# Allegro board visualscope2.0.brd (continued)
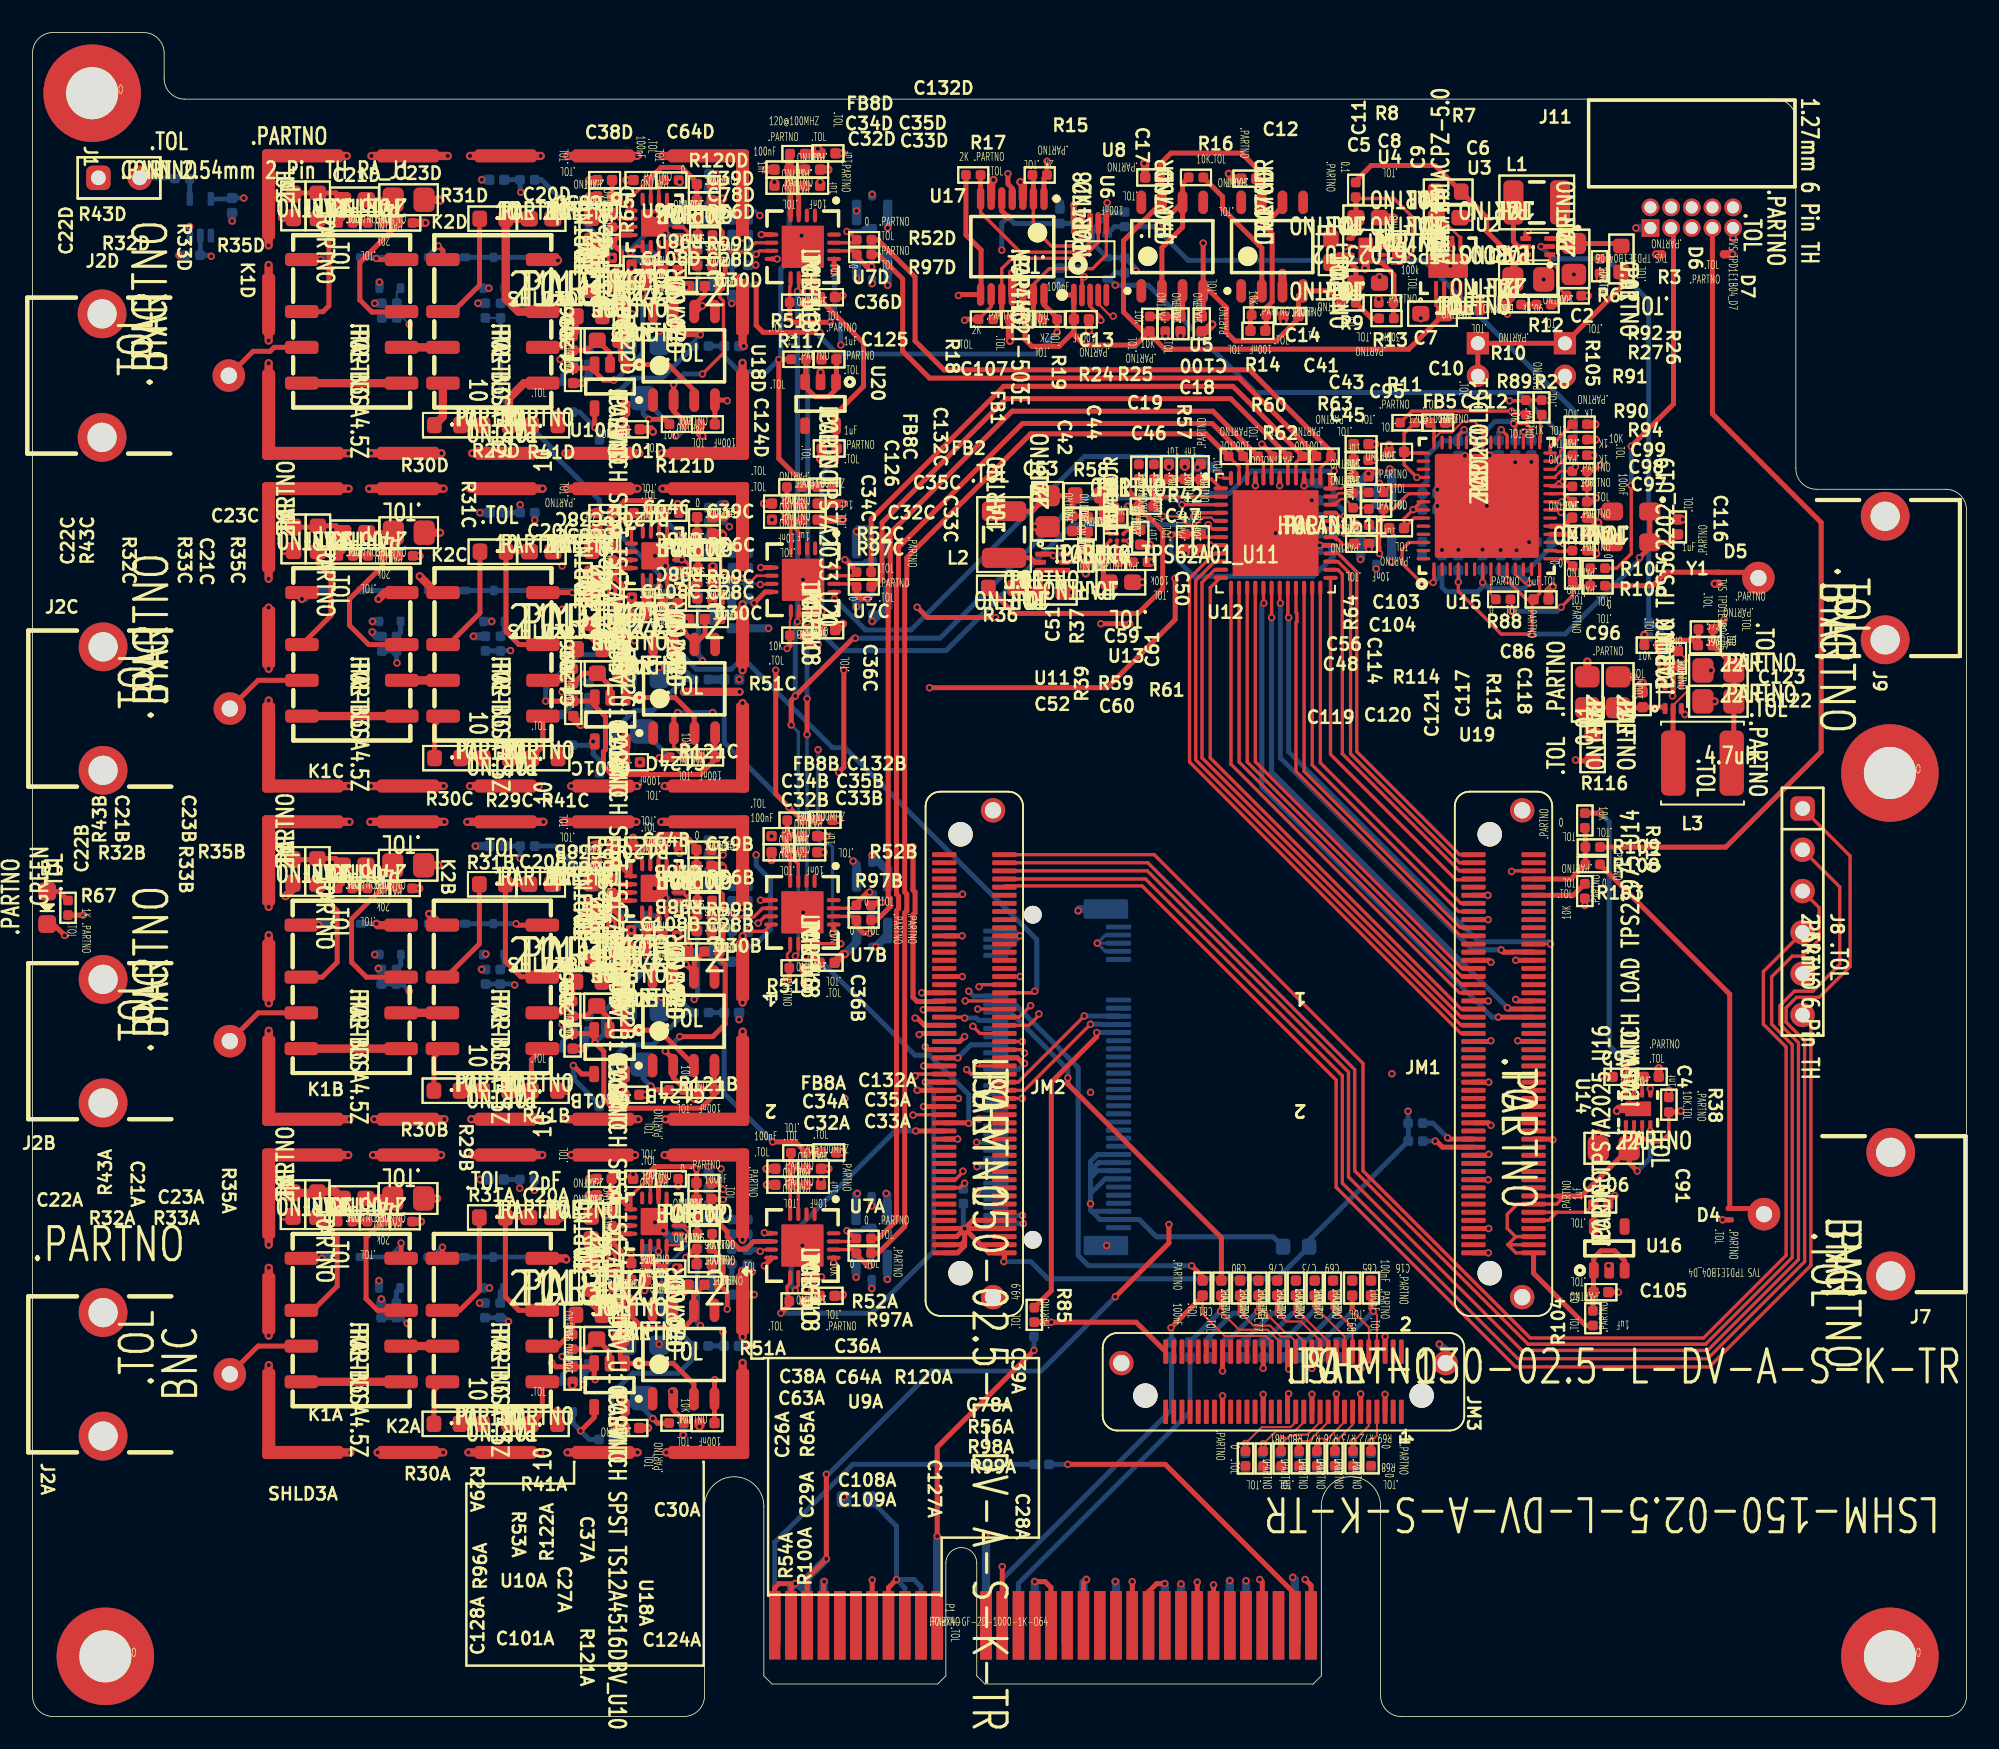
[diagram p0: board, top side]
## Routing (per net, layer and track width the routed paths; a pad name or vN(x,y) marks a point on that pad's centre or on a via; arc(x,y) is an arc through that point) (continued)
  TOP w0.305: R30B.1 24.7,40.56 K2B.4
N00129_FRONT END_CH3: length 2.8
  TOP w0.305: R30C.1 24.74,61.02 K2C.4
N00129_FRONT END_CH4: length 2.8
  TOP w0.508: R30D.1 25.25,79.97 K2D.4
N00131_FRONT END_CH1: length 1.4
  TOP w0.305: R30A.2 R29A.1
N00131_FRONT END_CH2: length 1.4
  TOP w0.305: R29B.1 R30B.2
N00131_FRONT END_CH3: length 1.4
  TOP w0.305: R30C.2 R29C.1
N00131_FRONT END_CH4: length 1.4
  TOP w0.508: R30D.2 R29D.1
N00133_FRONT END_CH1: length 7.3
  TOP w0.305: R31A.1 27.5,26.19 26.29,24.99 K2A.2
N00133_FRONT END_CH2: length 6.8
  TOP w0.305: R31B.1 27.5,47.53 25.45,45.49 K2B.2
N00133_FRONT END_CH3: length 6.8
  TOP w0.305: R31C.1 27.53,67.89 25.59,65.95 K2C.2
N00133_FRONT END_CH4: length 7
  TOP w0.305: R31D.1 27.51,92.13 27.51,88.05 25.88,86.43 K2D.2
N00135_FRONT END_CH1: length 6.1
  TOP w0.508: K1A.5 K1A.4
N00135_FRONT END_CH2: length 6.1
  TOP w0.508: K1B.4 K1B.5
N00135_FRONT END_CH3: length 6.1
  TOP w0.508: K1C.4 K1C.5
N00135_FRONT END_CH4: length 6.1
  TOP w0.508: K1D.4 K1D.5
N00137_FRONT END_CH1: length 8.9
  TOP w0.305: K2A.7 29.92,24.99 29.1,25.81 R31A.2 C20A.1
N00137_FRONT END_CH2: length 8.9
  TOP w0.305: K2B.7 31.34,45.51 30.05,45.51 29.1,46.46 R31B.2 C20B.1
N00137_FRONT END_CH3: length 9
  TOP w0.305: K2C.7 29.93,65.95 29.13,66.74 R31C.2 C20C.1
N00137_FRONT END_CH4: length 9
  TOP w0.508: C20D.1 R31D.2 29.12,87.2 29.89,86.43 K2D.7
N00143_FRONT END_CH1: length 4.3
  TOP w0.305: K2A.5 31.37,18.65 30.72,18 R41A.2 R29A.2
N00143_FRONT END_CH2: length 4.3
  TOP w0.305: K2B.5 30.7,40.42 R41B.2 R29B.2
N00143_FRONT END_CH3: length 4.3
  TOP w0.305: K2C.5 31.4,59.69 30.73,59.02 R41C.2 R29C.2
N00143_FRONT END_CH4: length 5.5
  TOP w0.508: R41D.2 R29D.2 29.32,81.11 30.25,82.03 K2D.5
N00149_FRONT END_CH1: length 11.9
  TOP w0.305: K1A.7 21.23,24.99 20.52,25.7 20.52,29.46 21.51,30.44 R33A.2
  TOP w0.508: C21A.1 C23A.2 21.51,31.21 R33A.2 R35A.2
N00149_FRONT END_CH2: length 13.1
  TOP w0.305: C21B.1 20.51,51.94 20.93,51.52 20.93,51.52 21.51,50.95 R33B.2 ; K1B.7 20.55,45.49 19.63,46.4 19.63,49.07 21.51,50.94 R33B.2 ; C23B.2 22.16,51.24 R35B.2 R33B.2
N00149_FRONT END_CH3: length 13
  TOP w0.305: K1C.7 20.69,65.95 19.51,67.13 19.51,68.75 21.54,70.79 R33C.2 R35C.2 22.2,71.7 C23C.2 C21C.1
N00149_FRONT END_CH4: length 12.8
  TOP w0.305: C21D.1 C23D.2 22.19,92.19 R35D.2 ; K1D.7 22.68,86.4 20.88,86.4 20.14,87.14 20.14,89.45 22.49,91.8 R35D.2 ; R35D.2 R33D.2
N00151_FRONT END_CH1: length 5.1
  TOP w0.305: J2A.1 13.88,22.79 K1A.3
N00151_FRONT END_CH2: length 5.1
  TOP w0.305: J2B.1 13.88,43.29 K1B.3
N00151_FRONT END_CH3: length 5.2
  TOP w0.305: K1C.3 13.88,63.75 J2C.1
N00151_FRONT END_CH4: length 5.2
  TOP w0.305: J2D.1 13.58,83.99 14.62,83.99 14.86,84.23 K1D.3
N00153_FRONT END_CH1: length 2.8
  TOP w0.305: v1(40.21,28.24) 40.75,28.78 R99A.1 40.88,27.84 C28A.1
  BOTTOM w0.305: v1(40.21,28.24) 40.76,28.79 FB4A.1
N00153_FRONT END_CH2: length 1.8
  TOP w0.305: v1(40.48,49.3) 40.5,49.28 R99B.1 40.88,48.34 C28B.1
  BOTTOM w0.305: FB4B.1 v1(40.48,49.3)
N00153_FRONT END_CH3: length 2.1
  TOP w0.305: v1(40.46,69.51) 40.69,69.74 R99C.1 40.91,68.8 C28C.1
  BOTTOM w0.305: FB4C.1 40.71,69.51 v1(40.46,69.51)
N00153_FRONT END_CH4: length 4
  TOP w0.305: v1(39.57,89.83) 39.95,90.21 40.21,90.21 40.22,90.23 R99D.1 40.9,89.28 C28D.1
  BOTTOM w0.305: FB4D.1 40.16,90.3 39.7,89.83 v1(39.57,89.83)
N00155_FRONT END_CH1: length 9.2
  TOP w0.305: C30A.1 40.69,25.91 U18A.6 40.69,24.53 40.08,23.92 37.54,23.92 36.91,24.55 36.91,25.7 36.23,26.38 R100A.2
N00155_FRONT END_CH2: length 7.8
  TOP w0.152: 40.72,46.43 40.69,46.4 40.69,45.79
  TOP w0.305: U18B.6 40.72,45.51 40.72,46.43 C30B.1 ; v1(40.21,46.27) 40.69,45.79 ; R100B.2 36.4,46.77 36.91,46.27 v1(37.16,46.27)
  PWR4 w0.305: v1(37.16,46.27) v1(40.21,46.27)
N00155_FRONT END_CH3: length 7.8
  TOP w0.305: v1(40.08,66.72) 40.73,66.07 U18C.6 41.39,66.61 C30C.1 ; R100C.2 35.92,67 v1(35.83,66.91)
  PWR4 w0.305: v1(35.83,66.91) 35.89,66.85 37.03,66.85 37.16,66.72 v1(40.08,66.72)
N00155_FRONT END_CH4: length 8.7
  TOP w0.305: R100D.2 35.9,87.69 v1(35.76,87.55) ; C30D.1 41.37,87.48 40.72,86.82 U18D.6 40.88,86.44 v1(41.22,86.78)
  PWR4 w0.305: v1(35.76,87.55) 36.52,86.78 v1(41.22,86.78)
N00161_FRONT END_CH1: length 14
  TOP w0.305: v1(42.75,25.06) 42.75,26.08 C30A.2 42.27,26.59 42.49,26.82 42.49,28.11 41.82,28.78 R99A.2 41.81,28.82 R98A.1 ; v1(39.32,19.98) 39.42,19.88 U18A.2 39.42,18.86 40.07,18.21 R121A.2
  PWR3 w0.305: v1(42.75,25.06) 41.73,24.05 41.73,22.4 v1(39.32,19.98)
N00161_FRONT END_CH2: length 15.5
  TOP w0.305: R98B.1 41.81,49.32 R99B.2 41.9,49.28 42.49,48.68 42.49,47.29 C30B.2 42.27,46.62 42.62,46.27 42.62,42.59 41.86,41.83 v1(39.83,41.83) ; R121B.2 40.07,38.66 39.42,39.31 U18B.2 39.42,40.45 v1(38.94,40.94)
  BOTTOM w0.305: v1(39.83,41.83) v1(38.94,40.94)
N00161_FRONT END_CH3: length 18.4
  TOP w0.203: R99C.2 41.88,69.74 42.49,69.13 42.49,68.5 42.31,68.31 C30C.2 ; R121C.2 39.46,59.66 U18C.2
  TOP w0.305: v1(39.7,61.77) 39.46,61.53 U18C.2 ; R99C.2 41.81,70.62 R98C.1
  PWR3 w0.305: v1(41.86,70.78) 41.86,69.26 41.22,68.62 41.22,68.24 41.86,67.61 v1(41.86,61.77)
  BOTTOM w0.305: v1(39.7,61.77) v1(41.86,61.77)
N00161_FRONT END_CH4: length 14.4
  TOP w0.203: C30D.2 42.29,87.3 42.52,87.08 42.52,83.89 v1(41.22,82.59)
  TOP w0.305: R121D.2 40.1,79.65 39.45,80.31 U18D.2 v1(39.45,81.96) ; R98D.1 41.84,90.26 R99D.2 41.82,90.23 42.62,89.43 42.62,88.82 42.29,88.49 C30D.2
  BOTTOM w0.305: v1(41.22,82.59) 40.09,82.59 v1(39.45,81.96)
N00175_FRONT END_CH1: length 1.5
  TOP w0.305: C26A.2 R54A.2
N00175_FRONT END_CH2: length 1.5
  TOP w0.305: C26B.2 R54B.2
N00175_FRONT END_CH3: length 1.5
  TOP w0.305: R54C.2 C26C.2
N00175_FRONT END_CH4: length 1.5
  TOP w0.305: R54D.2 C26D.2
N00191_FRONT END_CH1: length 3.8
  TOP w0.305: U9A.4 36.1,29.7 C29A.2 35.64,29.22 36.22,28.64 36.22,27.75 R100A.1
N00191_FRONT END_CH2: length 3.9
  TOP w0.305: U9B.4 36.1,50.2 C29B.2 35.64,49.72 36.22,49.14 36.22,48.13 R100B.1
N00191_FRONT END_CH3: length 3.7
  TOP w0.305: U9C.4 36.14,70.66 C29C.2 35.73,70.18 36.27,69.64 36.27,68.88 35.92,68.52 R100C.1
N00191_FRONT END_CH4: length 3.7
  TOP w0.305: U9D.4 36.13,91.14 C29D.2 35.97,90.34 35.99,90.34 36.25,90.08 36.25,89.4 35.9,89.05 R100D.1
N00197_ADC_PLL: length 1.4
  TOP w0.305: U15.18 C98.1
N00197_FRONT END_CH1: length 3.7
  TOP w0.305: v1(38.18,18.33) 38.46,18.05 R121A.1
  BOTTOM w0.305: R124A.2 37.55,18.95 v1(38.18,18.33) 38.46,18.05 R123A.2
N00197_FRONT END_CH2: length 4
  TOP w0.305: R121B.1 38.28,38.55 v1(38.05,38.78)
  BOTTOM w0.305: R124B.2 37.58,39.25 v1(38.05,38.78) 38.28,38.55 R121B.1
N00197_FRONT END_CH3: length 3.6
  TOP w0.305: v1(38.56,58.97) 38.6,59.01 R121C.1
  BOTTOM w0.305: R124C.2 37.62,60.6 R123C.2 38.63,59.05 v1(38.56,58.97)
N00197_FRONT END_CH4: length 5.1
  TOP w0.305: R121D.1 39.2,79.54 38.94,79.8 v1(37.92,79.8)
  BOTTOM w0.305: R123D.2 39.12,79.56 R124D.2 37.58,80.14 v1(37.92,79.8)
N00207_ADC_PLL: length 1.8
  TOP w0.203: U15.29 92.79,78.43 92.79,80.01 R28.1
N00209_FRONT END_CH1: length 1.2
  TOP w0.305: R65A.1 35.66,30.2 U9A.3
N00209_FRONT END_CH2: length 1.2
  TOP w0.305: U9B.3 35.66,50.7 R65B.1
N00209_FRONT END_CH3: length 1.2
  TOP w0.305: R65C.1 36.84,71.15 U9C.3
N00209_FRONT END_CH4: length 1.2
  TOP w0.203: U9D.3 35.68,91.64 R65D.1
N00211_FRONT END_CH1: length 2.7
  TOP w0.203: R65A.2 36.04,30.7 U9A.2
  TOP w0.305: C26A.1 34.69,31.09 R65A.2
N00211_FRONT END_CH2: length 2.7
  TOP w0.305: U9B.2 36.04,51.2 R65B.2 35.34,51.28 C26B.1
N00211_FRONT END_CH3: length 2.7
  TOP w0.305: C26C.1 35.38,71.74 R65C.2 36.08,71.66 U9C.2
N00211_FRONT END_CH4: length 2.7
  TOP w0.203: R65D.2 36.06,92.14 U9D.2
  TOP w0.305: R65D.2 34.71,92.53 C26D.1
N00215_FRONT END_CH1: length 1.3
  TOP w0.305: R120A.2 38.51,32.76 U9A.14
N00215_FRONT END_CH2: length 1.3
  TOP w0.203: R120B.2 38.51,53.26 U9B.14
N00215_FRONT END_CH3: length 1.3
  TOP w0.203: U9C.14 38.55,73.72 R120C.2
N00215_FRONT END_CH4: length 1.3
  TOP w0.203: U9D.14 38.54,94.2 R120D.2
N00293_FRONT END_CH1: length 3.6
  TOP w0.305: U10A.2 35.51,22.43 C27A.1 34.09,22.59 R96A.1
N00293_FRONT END_CH2: length 3.6
  TOP w0.305: R96B.1 34.09,43.09 C27B.1 35.51,42.93 U10B.2
N00293_FRONT END_CH3: length 3.6
  TOP w0.305: U10C.2 35.55,63.39 C27C.1 33.9,64.18 33.85,64.13 33.85,64.12 33.28,63.55 R96C.1
N00293_FRONT END_CH4: length 3.6
  TOP w0.305: R96D.1 34.12,84.04 C27D.1 35.53,83.88 U10D.2
N00295_FRONT END_CH1: length 8.6
  TOP w0.305: R122A.2 36.17,24.4 C27A.2 36.17,22.02 U10A.1 39.43,21.73 40.69,20.46 U18A.3
N00295_FRONT END_CH2: length 8
  TOP w0.305: U18B.3 40.69,40.07 38.54,42.22 U10B.1 36.46,43.43 C27B.2 36.23,43.78 R122B.2
N00295_FRONT END_CH3: length 8.6
  TOP w0.305: U18C.3 40.72,60.52 40.72,61.51 39.54,62.68 U10C.1 36.5,63.89 C27C.2 36.27,64.24 R122C.2
N00295_FRONT END_CH4: length 8.4
  TOP w0.305: R122D.2 36.26,84.73 C27D.2 36.2,83.46 U10D.1 39.12,83.17 40.72,81.58 U18D.3
N00307_FRONT END_CH1: length 1.3
  BOTTOM w0.305: Q5A.2 32.61,21.03 R126A.1
N00307_FRONT END_CH2: length 1.3
  BOTTOM w0.305: Q5B.2 32.62,41.51 R126B.1
N00307_FRONT END_CH3: length 1.3
  BOTTOM w0.305: Q5C.2 33.27,62.3 R126C.1
N00307_FRONT END_CH4: length 1.3
  BOTTOM w0.305: R126D.1 32.64,82.54 Q5D.2
N00325_FRONT END_CH1: length 1.8
  TOP w0.305: R54A.1 34.38,25.37 R53A.2
N00325_FRONT END_CH2: length 1.8
  TOP w0.305: R53B.2 34.38,45.87 R54B.1
N00325_FRONT END_CH3: length 1.8
  TOP w0.305: R54C.1 34.42,66.33 R53C.2
N00325_FRONT END_CH4: length 1.8
  TOP w0.305: R53D.2 35.06,87.05 R54D.1
N00331_FRONT END_CH1: length 2.4
  BOTTOM w0.305: FB6A.2 41.61,30.57 R118A.2 R119A.1
N00331_FRONT END_CH2: length 2.4
  BOTTOM w0.305: FB6B.2 43.05,51.08 R118B.2 R119B.1
N00331_FRONT END_CH3: length 2.4
  BOTTOM w0.305: FB6C.2 41.64,71.58 R118C.2 R119C.1
N00331_FRONT END_CH4: length 2.4
  BOTTOM w0.305: R119D.1 R118D.2 43.05,92.08 FB6D.2
N00337_FRONT END_CH1: length 4.5
  TOP w0.127: U7A.7 45.43,28.71 44.87,28.71 v1(44.78,28.62)
  BOTTOM w0.127: C31A.1 44.01,28.99 44.14,29.13 44.14,29.51 44.01,29.65 R119A.2
  BOTTOM w0.305: R118A.1 FB7A.2 43.96,28.75 C31A.1 44.56,28.71 44.65,28.62 v1(44.78,28.62)
N00337_FRONT END_CH2: length 4.7
  TOP w0.203: v1(44.65,48.81) 45.06,49.22 U7B.7
  BOTTOM w0.127: v1(44.65,48.81) 44.4,48.81 C31B.1 44.02,49.5 44.11,49.6 44.11,49.94 44.02,50.04 R119B.2 43.88,50.18 43.87,50.19 43.52,50.19 43.51,50.18 R118B.1
  BOTTOM w0.305: FB7B.2 R118B.1
N00337_FRONT END_CH3: length 4.6
  TOP w0.127: v1(44.78,69.64) 45.44,69.64 U7C.7
  BOTTOM w0.127: R119C.2 43.96,70.68 43.86,70.77 43.52,70.77 43.42,70.68 R118C.1 43.08,69.73 FB7C.2 44.03,69.68 C31C.1 44.73,69.69 v1(44.78,69.64)
N00337_FRONT END_CH4: length 4.6
  TOP w0.203: v1(44.53,89.96) 44.73,90.17 U7D.7
  BOTTOM w0.127: C31D.1 43.99,90.26 43.89,90.26 43.86,90.23 43.51,90.23 43.48,90.26 FB7D.2 R118D.1 ; C31D.1 44.03,90.4 44.11,90.47 44.11,90.82 44.03,90.89 R119D.2 ; C31D.1 44.27,90.22 v1(44.53,89.96)
N00431_FRONT END_CH1: length 2.3
  TOP w0.203: R56A.1 40.22,30.77 40.15,30.7 U9A.11
  TOP w0.305: R56A.1 R98A.2
N00431_FRONT END_CH2: length 2.3
  TOP w0.203: U9B.11 40.85,51.2 R56B.1
  TOP w0.305: R56B.1 R98B.2
N00431_FRONT END_CH3: length 2.3
  TOP w0.152: R56C.1 40.88,71.66 U9C.11
  TOP w0.305: R56C.1 R98C.2
N00431_FRONT END_CH4: length 2.3
  TOP w0.203: U9D.11 40.87,92.14 R56D.1 R98D.2
N00575_FRONT END_CH1: length 7.5
  TOP w0.305: K1A.2 17.26,24.99 18.74,26.48 18.74,29.47 R43A.2
N00575_FRONT END_CH2: length 7.9
  TOP w0.305: K1B.2 17.83,45.49 18.74,46.4 18.74,49.57 17.53,50.79 R43B.2
N00575_FRONT END_CH3: length 6.8
  TOP w0.305: R43C.2 17.56,70.95 18.36,70.15 18.36,67.73 K1C.2
N00575_FRONT END_CH4: length 7.5
  TOP w0.305: R43D.2 17.55,91.79 18.24,91.1 18.24,86.78 17.87,86.42 16.57,86.42 K1D.2
N00579_FRONT END_CH1: length 4.8
  TOP w0.508: C22A.2 17.45,32.21 R43A.1 18.64,32.29 C21A.2 18.78,31.59 R32A.1
N00579_FRONT END_CH2: length 4.8
  TOP w0.305: R32B.1 19.06,51.23 C21B.2 18.64,52.79 R43B.1 17.45,52.71 C22B.2
N00579_FRONT END_CH3: length 4.8
  TOP w0.305: C22C.2 17.49,73.17 R43C.1 18.68,73.25 C21C.2 19.1,71.69 R32C.1
N00579_FRONT END_CH4: length 4.8
  TOP w0.305: R32D.1 19.09,92.17 C21D.2 18.67,93.73 R43D.1 16.13,93.73 C22D.2
N012996_FRONT END_CH1: length 1.2
  TOP w0.127: U9A.7 v1(38.51,28.62)
  BOTTOM w0.305: R55A.1 38.37,28.76 v1(38.51,28.62)
N012996_FRONT END_CH2: length 1.2
  TOP w0.127: U9B.7 v1(38.51,49.11)
  BOTTOM w0.305: R55B.1 38.35,49.27 v1(38.51,49.11)
N012996_FRONT END_CH3: length 1.4
  TOP w0.127: U9C.7 v1(38.55,69.52)
  BOTTOM w0.305: R55C.1 38,69.52 v1(38.55,69.52)
N012996_FRONT END_CH4: length 1.5
  TOP w0.203: U9D.7 38.54,89.94 v1(38.43,89.83)
  BOTTOM w0.305: R55D.1 37.99,90.27 v1(38.43,89.83)
OUT_R_N_FRONT END_CH1: length 3.9
  TOP w0.203: U7A.14 50.47,28.72 R97A.1
  TOP w0.305: v1(51.51,27.73) 51.38,27.73 50.69,28.42 R97A.1
  BOTTOM w0.305: J3A.1 51.64,27.86 v1(51.51,27.73)
OUT_R_N_FRONT END_CH2: length 4.1
  TOP w0.203: U7B.14 50.47,49.22 R97B.1
  TOP w0.305: R97B.1 50.69,48.61 51.1,48.2 51.49,48.2 v1(51.51,48.18)
  BOTTOM w0.305: v1(51.51,48.18) 51.66,48.33 J3B.1
OUT_R_N_FRONT END_CH3: length 3.9
  TOP w0.203: U7C.14 50.52,69.68 R97C.1
  TOP w0.305: v1(51.38,68.75) 51,68.75 50.71,69.05 R97C.1
  BOTTOM w0.305: v1(51.38,68.75) 51.66,69.03 J3C.1
OUT_R_N_FRONT END_CH4: length 4
  TOP w0.203: R97D.1 50.5,90.17 U7D.14
  TOP w0.305: v1(51.64,89.2) 51.33,89.2 50.72,89.81 R97D.1
  BOTTOM w0.305: J3D.1 51.66,89.22 v1(51.64,89.2)
OUT_R_P_FRONT END_CH1: length 3.8
  TOP w0.203: U7A.15 50.51,29.22 R52A.1
  TOP w0.305: v1(50.11,29.89) 50.6,29.41 R52A.1
  BOTTOM w0.305: v1(50.11,29.89) 51,29.89 51.16,30.04 J4A.1
OUT_R_P_FRONT END_CH2: length 2.9
  TOP w0.203: R52B.1 50.51,49.72 U7B.15
  TOP w0.305: R52B.1 50.69,50.03 51.38,50.72 v1(51.51,50.72)
  BOTTOM w0.127: v1(51.51,50.72) 51.51,50.71 J4B.1
OUT_R_P_FRONT END_CH3: length 4.4
  TOP w0.203: U7C.15 50.49,70.18 R52C.1
  TOP w0.305: R52C.1 50.71,70.45 v1(49.99,71.16)
  BOTTOM w0.305: J4C.1 51.29,71.07 51.13,70.91 50.37,70.91 50.11,71.16 v1(49.99,71.16)
OUT_R_P_FRONT END_CH4: length 3.9
  TOP w0.203: U7D.15 50.54,90.67 R52D.1 50.21,91.36 v1(50.11,91.36)
  BOTTOM w0.305: J4D.1 51.2,91.55 51,91.36 v1(50.11,91.36)
PERST#: length 9.9
  TOP w0.305: R85.1 v1(62.69,24.26) 67.91,24.26 JM3.60
  BOTTOM w0.305: R84.1 62.66,24.28 v1(62.69,24.26)
PGA_CSN_1: length 25.4
  TOP w0.203: U7A.9 46.62,26.65 46.43,26.46 46.43,25.95 46.57,25.82 R51A.1
  TOP w0.305: v1(46.05,24.81) 46.57,25.32 R51A.1 ; JM2.43 56.09,39.03 v1(54.94,39.03)
  BOTTOM w0.305: v1(46.05,24.81) 51.64,24.81 55.45,28.62 55.45,38.52 v1(54.94,39.03)
PGA_CSN_2: length 16.2
  TOP w0.152: U7B.9 46.62,47.1 46.43,46.91 46.43,46.65 46.62,46.46 46.62,46.11 R51B.1
  TOP w0.305: v1(46.43,45.26) 46.57,45.39 R51B.1 ; JM2.53 57.05,41.52 v1(57.35,41.83)
  PWR4 w0.305: v1(46.43,45.26) 49.22,42.46 56.72,42.46 v1(57.35,41.83)
PGA_CSN_3: length 29.3
  TOP w0.127: R51C.1 46.6,67.48 46.66,67.54 U7C.9
  TOP w0.305: R51C.1 46.6,65.88 v1(46.43,65.7) ; JM2.63 56.06,43.99 54.43,43.99 54.18,44.24 54.18,49.32 54.3,49.45 54.3,50.72 54.18,50.84 v1(54.18,53.51)
  PWR3 w0.203: v1(54.18,53.51) 54.18,58.09 46.57,65.7 v1(46.43,65.7)
PGA_CSN_4: length 51.6
  TOP w0.203: JM2.68 58.37,45.02 v1(58.24,44.9) ; R51D.1 46.59,87.96 46.65,88.02 U7D.9
  TOP w0.305: v1(49.1,85.77) 46.81,85.77 v1(46.56,86.02) 46.59,86.06 R51D.1
  PWR3 w0.305: v1(49.1,85.77) 58.24,76.62 58.24,56.43 57.99,56.18 57.99,55.29 58.24,55.03 v1(58.24,44.9)
PGOOD: length 3.5
  TOP w0.305: v1(87.07,35.6) 87.15,35.52 JM1.29
  BOTTOM w0.305: R101.1 86.17,36.51 v1(87.07,35.6)
PROBE_COMP: length 76.7
  TOP w0.305: JM2.65 v1(54.71,44.52)
  PWR4 w0.305: v1(11,89.83) 10.49,89.32 10.49,73.2 15.7,67.99 30.3,67.99 45.03,53.26 45.67,53.26 46.05,52.88 46.05,52.11 53.64,44.52 v1(54.71,44.52)
  BOTTOM w0.305: U1.2 10.32,89.9 R2.2 10.93,89.9 v1(11,89.83)
PRSNT1#: length 22.6
  BOTTOM w0.305: R86.1 50.47,15.51 45.67,10.71 P1.A1
PRSNT2#_4: length 19.9
  TOP w0.305: v1(63.7,15.51) 69.7,15.51 77.67,7.54 P1.B31
  BOTTOM w0.305: R86.2 v1(63.7,15.51)
REFINOUT: length 8.1
  TOP w0.127: v1(91.01,67.99) 91.01,68.65 R88.2
  TOP w0.203: R107.2 R106.2 95.07,69.56 C96.2 94.77,68.95 v1(94.06,68.24)
  BOTTOM w0.305: v1(91.01,67.99) 93.8,67.99 v1(94.06,68.24)
REFINOUT1: length 9.9
  TOP w0.305: J9.1 105.85,70.39 D5.1 103.72,70.4 100.53,70.4 99.69,69.56 R106.1
REFINOUT2: length 23.2
  TOP w0.203: R107.1 97.47,70.64 98.37,71.54 v1(98.37,75.74)
  TOP w0.305: J11.3 100.97,91.43 D6.1 100.97,80.75 v1(98.37,78.15)
  BOTTOM w0.305: v1(98.37,75.74) v1(98.37,78.15)
RESIN: length 1.8
  TOP w0.203: v1(57.35,32.81) 57.07,32.52 JM2.17
  BOTTOM w0.305: R66.1 57.28,32.73 v1(57.35,32.81)
SCL: length 88.1
  TOP w0.127: U15.24 93.62,75.73 93.88,75.99 v1(94.18,75.99)
  TOP w0.203: R90.1 93.44,75.67 U15.24 ; JM2.58 61.32,42.52 61.92,43.13 v1(61.92,43.22)
  PWR3 w0.305: v1(66.62,88.05) 67,87.67 67,85.9 66.12,85.01 66.12,74.21 66.5,73.83 66.5,65.92 63.32,62.74 63.32,44.62 v1(61.92,43.22)
  BOTTOM w0.305: R21.1 66.62,88.81 66.25,88.45 66.23,88.45 ; Q2.3 66.23,88.45 ; 66.23,88.45 v1(66.62,88.05) 68.66,88.05 75.26,81.45 91.41,81.45 94.18,78.68 v1(94.18,75.99)
SCL_5V: length 14.8
  TOP w0.203: U6.2 64.57,88.42 v1(64.72,88.56)
  TOP w0.305: v1(60.02,94.91) 60.02,94.28 60.29,94.01 U17.4
  PWR3 w0.305: v1(64.72,88.56) 64.72,93.52 63.32,94.91 v1(60.02,94.91)
  BOTTOM w0.305: R23.1 64.22,89.1 Q2.1 64.23,89.06 v1(64.72,88.56)
SDA: length 98.1
  TOP w0.127: R91.1 94.75,76.68 v1(94.94,76.88)
  TOP w0.152: R91.1 94.02,76.61 93.64,76.23 U15.25
  TOP w0.203: JM2.56 58.3,42.02 v1(57.86,42.46)
  PWR4 w0.305: v1(57.86,42.46) 62.81,42.46 64.08,43.73 71.45,43.73 94.94,67.23 v1(94.94,76.88)
  BOTTOM w0.305: v1(94.94,76.88) 94.94,80.24 85.6,89.58 71.11,89.58 69.04,91.66 R20.1 66.58,91.66 Q1.3
SDA_5V: length 17.6
  TOP w0.203: U6.3 65.07,86.76 65.73,86.1 v1(65.73,85.9)
  TOP w0.305: v1(60.02,92.25) 59.64,92.63 U17.5
  PWR3 w0.305: v1(65.73,85.9) 63.96,85.9 v1(59.64,90.21)
  BOTTOM w0.305: Q1.1 64.22,91.85 R22.1 60.42,91.85 v1(60.02,92.25) 59.64,91.86 v1(59.64,90.21)
SPI_SCLK: length 106.6
  TOP w0.127: v1(47.57,46.78) 47.62,46.83 U7B.11 ; U7C.11 v1(47.66,67.31)
  TOP w0.203: U7A.11 v1(47.62,26.29) ; v1(47.7,87.67) 47.66,87.72 47.66,88.48 U7D.11 ; U12.4 71.67,74.05 v1(71.45,73.83)
  TOP w0.305: v1(47.66,62.61) v1(47.66,60.41) ; v1(57.61,36.49) 57.58,36.52 JM2.33
  PWR3 w0.305: v1(57.61,36.49) 56.87,36.49 55.96,35.58 55.96,33.32 48.92,26.29 v1(47.62,26.29)
  BOTTOM w0.203: v1(47.57,46.78) 47.66,46.86 47.66,49.02 47.95,49.32 47.95,49.7 47.66,50 v1(47.66,60.41)
  BOTTOM w0.305: v1(47.66,67.31) 47.87,67.31 49.61,65.58 56.21,65.58 63.96,73.32 70.94,73.32 v1(71.45,73.83) ; v1(47.66,67.31) 47.66,69.34 47.95,69.64 47.95,70.15 47.7,70.4 v1(47.7,87.67) ; v1(47.66,67.31) v1(47.66,62.61) ; v1(47.57,46.78) 48.21,46.78 54.3,40.68 55.19,40.68 57.61,38.27 v1(57.61,36.49)
SPI_SDIO: length 112.8
  TOP w0.127: v1(47.07,67.35) 47.07,67.91 U7C.10 ; U7B.10 47.12,46.83 47.07,46.78 v1(46.94,46.78)
  TOP w0.203: v1(46.94,26.21) 46.94,26.33 47.12,26.51 U7A.10 ; v1(47.07,87.67) 47.15,87.75 U7D.10 ; U12.3 v1(70.73,74.55)
  TOP w0.305: JM2.31 v1(54.34,36.02) ; v1(46.68,61) 46.68,62.53 v1(46.94,62.78) 50.49,66.34 v1(50.62,66.34)
  PWR3 w0.305: v1(46.94,26.21) 47.07,26.33 47.07,28.49 46.81,28.75 46.81,44.87 46.94,45 v1(46.94,46.78)
  BOTTOM w0.203: v1(46.68,61) 47.12,60.57 47.12,49.88 46.94,49.7 46.94,49.19 47.12,49.01 47.12,46.96 v1(46.94,46.78)
  BOTTOM w0.305: v1(70.73,74.55) 70.31,74.97 64.46,74.97 55.83,66.34 v1(50.62,66.34) ; v1(54.34,36.02) 53.07,36.02 46.68,29.63 46.68,26.46 v1(46.94,26.21) ; v1(47.07,87.67) 47.07,70.4 46.81,70.15 46.81,69.77 47.07,69.51 v1(47.07,67.35) 46.94,67.23 v1(46.94,62.78)
SYNC1: length 26.7
  TOP w0.305: R108.1 104.43,44.44 D4.1 106.19,31.25 J7.1
SYNC2: length 51
  TOP w0.305: J11.7 D7.1 103.37,80.14 110.06,73.45 110.06,59.35 104.19,53.49 R109.1
TCK: length 87.8
  TOP w0.203: JM2.100 69.02,53.02 81.86,40.18 81.86,33.57 92.15,23.28 102.82,23.28 107.9,28.36 107.9,41.19 106.5,42.59 106.5,45.83 J8.4
TDI: length 96
  TOP w0.203: J8.2 111.2,51.03 111.2,46.27 109.55,44.62 108.41,44.62 107.52,43.73 107.52,42.59 108.66,41.45 108.66,28.11 103.07,22.52 91.64,22.52 80.97,33.19 80.97,39.65 68.6,52.02 JM2.96
TDO: length 91.7
  TOP w0.203: J8.3 109.93,49.76 109.93,47.8 108.91,46.78 108.28,46.78 107.01,45.51 107.01,42.59 108.28,41.32 108.28,28.24 102.95,22.9 92.02,22.9 81.36,33.57 81.36,39.79 68.63,52.52 JM2.98
TERM_1: length 34.3
  TOP w0.305: JM2.41 v1(54.43,38.52)
  PWR4 w0.305: v1(29.29,24.3) 37.54,24.3 51.64,38.4 54.31,38.4 v1(54.43,38.52)
  BOTTOM w0.305: v1(29.29,24.3) 29.05,24.54 R48A.2 R50A.2
TERM_2: length 29.9
  TOP w0.305: JM2.51 55.11,41.02 v1(54.94,41.19)
  PWR4 w0.305: v1(29.67,45) 30.94,45 33.35,42.59 42.49,42.59 43.89,41.19 v1(54.94,41.19)
  BOTTOM w0.305: v1(29.67,45) 29.61,45.06 R48B.2 R50B.2
TERM_3: length 38.5
  TOP w0.305: JM2.61 54.86,43.52 v1(54.81,43.48)
  PWR4 w0.305: v1(29.41,65.58) 31.44,65.58 38.05,58.97 38.05,58.34 38.56,57.83 39.06,57.83 39.45,57.45 39.45,56.94 41.6,54.78 42.11,54.78 43.51,53.38 43.51,53.13 46.81,49.83 46.81,49.32 52.61,43.52 54.77,43.52 v1(54.81,43.48)
  BOTTOM w0.305: v1(29.41,65.58) 28.81,65.58 R48C.2 R50C.2
TERM_4: length 60.9
  TOP w0.203: JM2.66 61.57,44.52 v1(61.67,44.62)
  BOTTOM w0.127: R50D.2 R48D.2
  BOTTOM w0.305: v1(61.67,44.62) 61.8,44.75 61.8,47.8 49.99,59.61 49.22,59.61 43.89,64.94 43.51,64.94 43,64.43 40.84,64.43 39.32,65.96 39.32,69.51 34.87,73.96 34.87,74.85 31.95,77.77 31.95,78.02 28.8,81.17 R48D.2
TEST: length 1.8
  TOP w0.127: 93.66,74.23 93.67,74.21 93.93,74.21
  TOP w0.203: v1(94.06,74.08) 93.91,74.23 U15.21
  BOTTOM w0.305: R111.2 94.41,73.73 v1(94.06,74.08)
TMS: length 99.8
  TOP w0.203: JM2.94 68.49,51.52 80.59,39.41 80.59,32.81 91.39,22.01 103.07,22.01 109.04,27.98 109.04,41.57 107.9,42.72 107.9,43.6 108.53,44.24 109.93,44.24 111.84,46.14 111.84,52.94 J8.1
TRIM1: length 85.5
  TOP w0.305: U17.1 62.24,94.65 R15.1 v1(62.43,95.67)
  PWR3 w0.203: v1(43.03,27.96) 43.03,42.68 43.02,42.69 43.02,68.6 42.8,68.82 42.8,71.09 43.89,72.18 43.89,82.47 44.14,82.72 44.14,83.23 44.27,83.36 44.27,87.17 44.65,87.55 44.78,87.55 45.03,87.8 45.03,88.07 53.02,96.06 62.04,96.06 v1(62.43,95.67)
  BOTTOM w0.127: FB7A.1 v1(43.03,27.96)
  BOTTOM w0.305: C131A.1 43.03,26.89 FB7A.1
TRIM2: length 62.7
  TOP w0.305: R17.1 57.44,91.15 58.37,90.21 58.37,87.51 U17.8 57.03,87.48 v1(56.97,87.42)
  PWR3 w0.305: v1(56.97,87.42) 56.08,86.53 48.08,86.53 44.53,82.97 44.53,74.97 44.27,74.72 44.27,69.39 44.91,68.75 44.91,67.99 44.65,67.73 44.65,53.13 v1(44.53,53)
  BOTTOM w0.305: FB7B.1 43.01,48.29 C131B.1 44.34,47.35 45.41,48.43 45.41,51.48 44.53,52.37 v1(44.53,53)
TRIM3: length 40.4
  TOP w0.203: R18.1 58.99,86.74 U17.9
  TOP w0.305: v1(59.26,67.61) 55.07,67.61 v1(54.43,68.24) ; R18.1 57.42,85.96 v1(57.35,85.9)
  PWR3 w0.305: v1(57.35,85.9) 59.26,83.99 v1(59.26,67.61)
  PWR4 w0.305: v1(54.43,68.24) 54.43,68.6 53.39,69.64 49.48,69.64 48.97,69.13 43.38,69.13 v1(43.26,69)
  BOTTOM w0.127: FB7C.1 43.03,68.78 v1(43.26,69)
  BOTTOM w0.508: C131C.1 FB7C.1
TRIM4: length 27.7
  TOP w0.305: v1(48.44,85.15) 44.96,85.15 44.53,85.58 v1(44.53,88.05) ; U17.14 62.24,86.85 63.05,86.04 R19.1 v1(63.05,85.15)
  BOTTOM w0.305: FB7D.1 43.05,88.4 C131D.1 43.35,88.05 v1(44.53,88.05) ; v1(63.05,85.15) 61.72,83.83 49.52,83.83 48.44,84.9 v1(48.44,85.15)
VOUT1: length 7.8
  TOP w0.203: U6.9 64.57,91.09 63.96,90.47 62.69,90.47 61.59,91.57 U17.2
  TOP w0.305: U17.2 61.59,94.78 R15.2
VOUT2: length 11.5
  TOP w0.203: U17.7 58.34,92.53 60.78,90.09 64.46,90.09 65.07,90.7 U6.8
  TOP w0.305: U17.7 R17.2
VOUT3: length 11.1
  TOP w0.203: U17.10 59.64,88.81 59.64,88.82 59.64,89.07 60.27,89.71 64.59,89.71 65.57,90.69 U6.7
  TOP w0.305: U17.10 59.64,86.48 R18.2
VOUT4: length 9.6
  TOP w0.203: U17.13 61.59,88.1 62.56,89.07 65.23,89.07 66.07,89.92 U6.6
  TOP w0.305: R19.2 62.04,85.96 61.59,86.42 U17.13
N00005: length 1.6
  TOP w0.203: C96.1 94.3,71.23 U15.15
N00009: length 7
  TOP w0.305: 94.53,90.93 93.99,91.47 L1.1 ; 94.53,90.93 C2.2 97.61,90.62 R3.1 ; 94.53,90.93 U2.3
N00011: length 2.3
  TOP w0.203: R59.1 66.73,71.08 U13.B1
  TOP w0.305: R59.1 R61.2
N00013: length 2.9
  TOP w0.203: U13.A1 65.89,71.92 R59.2
  TOP w0.305: C60.2 65.89,70.13 R59.2
N00017: length 3.3
  TOP w0.305: L1.2 91.12,90.73 91.43,90.43 U2.5
N00021: length 1.6
  TOP w0.305: C99.1 94.21,73.23 U15.19
N00027: length 1.1
  TOP w0.203: C4.2 99.04,39.25 U14.6
N00055: length 0.9
  TOP w0.305: R10.1 R12.2
N00061: length 4.1
  TOP w0.152: R105.2 93.84,87.96 93.84,89.05 93.36,89.53 U2.1
  TOP w0.305: R12.1 93.85,86.86 R105.2
N00069: length 94.9
  TOP w0.203: U12.48 73.29,76.18 v1(73.1,76.37)
  TOP w0.305: U7D.13 v1(49.32,88.85) ; v1(49.22,48.18) 49.3,48.25 U7B.13 ; U7C.13 49.33,68.77 v1(49.35,68.75) ; U7A.13 v1(49.3,27.91)
  PWR3 w0.305: v1(49.22,48.18) 49.22,34.21 49.48,33.95 49.48,33.44 49.3,33.26 v1(49.3,27.91) ; v1(49.35,68.75) 49.35,75.27 49.73,75.65 v1(49.73,84.37)
  PWR4 w0.305: v1(49.35,68.75) 49.35,60.5 v1(48.34,59.48)
  BOTTOM w0.203: v1(49.22,48.18) 49.22,53.49 49.08,53.64 48.59,53.64 48.34,53.89 v1(48.34,59.48)
  BOTTOM w0.305: v1(49.73,84.37) 49.73,85.85 49.35,86.23 49.35,88.82 v1(49.32,88.85) ; v1(73.1,76.37) 72.62,76.85 C134.2 72.56,76.91 71.96,77.51 64.72,77.51 54.05,66.85 51.26,66.85 v1(49.35,68.75)
